# KiCad board D1 Mini Relay.kicad_pcb
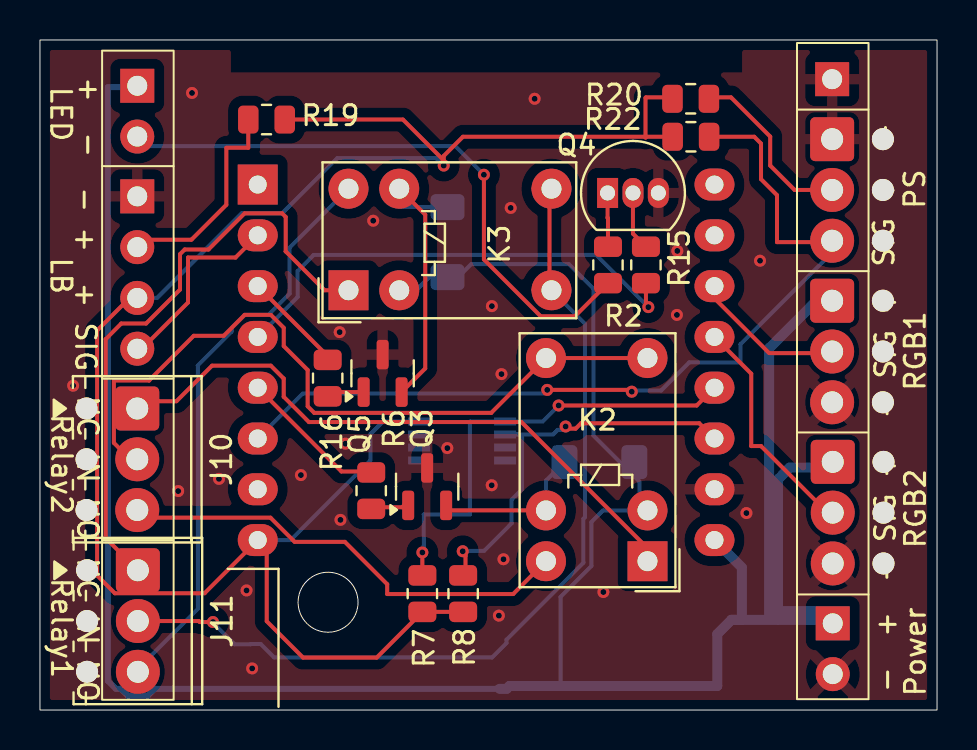
[diagram p0: board, top side]
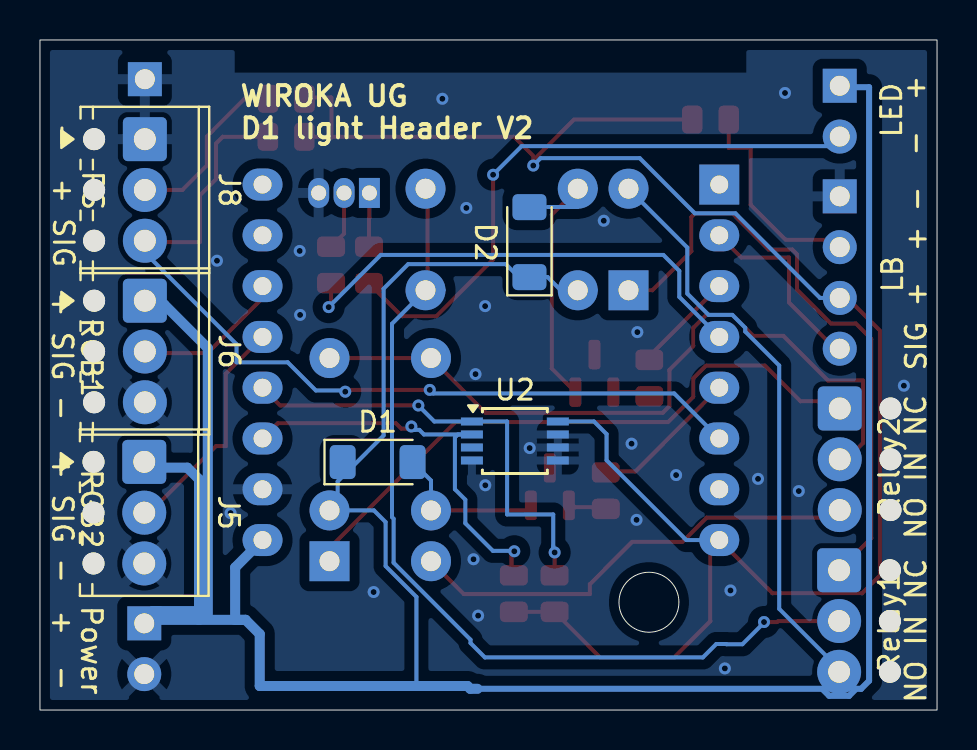
[diagram p1: board, bottom side, seen from below]

Outline 44.9 x 33.51 mm; copper layers: Top, Bottom. Coordinates in mm from the lower left corner of the outline.
Outline path: rectangle 0,33.51 44.9,0 ; circle c14.42,5.39 r1.5
Stack: Top 0.035mm / dielectric 1.51mm FR4 er 4.5 / Bottom 0.035mm

## Placement (name value [footprint] x y rotation side)
D1  D  [D_MiniMELF]  28 12.4 180 bottom
D2  D  [D_MiniMELF]  20.4 23.4 90 bottom
J1  Conn_01x01  [PinHeader_1x01_P2.54mm_Vertical]  39.65 31.55 0 top
J4  Conn_01x02  [PinHeader_1x02_P2.54mm_Vertical]  4.87 31.22 0 top
J5  Conn_01x03  [TerminalBlock_Phoenix_MPT-0,5-3-2.54_1x03_P2.54mm_Horizontal]  39.68 12.41 270 bottom
J6  Conn_01x03  [TerminalBlock_Phoenix_MPT-0,5-3-2.54_1x03_P2.54mm_Horizontal]  39.65 20.47 270 bottom
J7  Conn_01x02  [PinHeader_1x02_P2.54mm_Vertical]  39.68 4.33 0 top
J8  Conn_01x03  [TerminalBlock_Phoenix_MPT-0,5-3-2.54_1x03_P2.54mm_Horizontal]  39.65 28.55 270 bottom
J9  Conn_01x04  [PinHeader_1x04_P2.54mm_Vertical]  4.87 25.69 0 top
J10  Conn_01x03  [TerminalBlock_Phoenix_MPT-0,5-3-2.54_1x03_P2.54mm_Horizontal]  4.87 15.08 270 top
J11  Conn_01x03  [TerminalBlock_Phoenix_MPT-0,5-3-2.54_1x03_P2.54mm_Horizontal]  4.9 6.99 270 top
K2  G5V-1  [Relay_SPDT_Omron_G5V-1]  30.41 7.44 180 top
K3  G5V-1  [Relay_SPDT_Omron_G5V-1]  15.44 20.99 90 top
Q3  BC808  [SOT-23]  19.38 11.17 90 top
Q4  BC338  [TO-92_Inline]  28.41 25.86 0 top
Q5  BC808  [SOT-23]  17.15 16.84 90 top
R2  0  [R_0805_2012Metric]  28.43 22.26 270 top
R6  5K  [R_0805_2012Metric]  16.58 10.97 270 top
R7  10K  [R_0805_2012Metric]  19.14 5.82 90 top
R8  10K  [R_0805_2012Metric]  21.18 5.82 90 top
R15  10K  [R_0805_2012Metric]  30.33 22.26 90 top
R16  5K  [R_0805_2012Metric]  14.4 16.6 270 top
R19  330  [R_0805_2012Metric]  11.34 29.53 180 top
R20  330  [R_0805_2012Metric]  32.57 30.57 0 top
R22  10K  [R_0805_2012Metric]  32.58 28.67 0 top
U1  WEMOS_D1_mini  [WEMOS_D1_mini_light]  10.9 26.28 0 top
U2  LM75B  [TSSOP-8_3x3mm_P0.65mm]  21.13 13.45 180 bottom

## Library data of the parts
D1 D2 = -: Description: Diode; Sim.Pins: 1=K 2=A; ki_fp_filters: TO-???* *_Diode_* *SingleDiode* D_*
J1 = -: Description: Generic connector, single row, 01x01, script generated (kicad-library-utils/schlib/autogen/connector/); ki_fp_filters: Connector*:*_1x??_*
J4 J7 = -: Description: Generic connector, single row, 01x02, script generated (kicad-library-utils/schlib/autogen/connector/); ki_fp_filters: Connector*:*_1x??_*
J5 J6 J8 J10 J11 = -: Description: Generic connector, single row, 01x03, script generated (kicad-library-utils/schlib/autogen/connector/); ki_fp_filters: Connector*:*_1x??_*
J9 = -: Description: Generic connector, single row, 01x04, script generated (kicad-library-utils/schlib/autogen/connector/); ki_fp_filters: Connector*:*_1x??_*
K2 K3 = -: Datasheet: http://omronfs.omron.com/en_US/ecb/products/pdf/en-g5v_1.pdf; Description: Ultra-miniature, Highly Sensitive SPDT Relay for Signal Circuits; ki_fp_filters: Relay*SPDT*Omron*G5V?1*
Q3 Q5 = -: Datasheet: https://www.onsemi.com/pub/Collateral/BC808-D.pdf; Description: 0.8A Ic, 25V Vce, PNP Transistor, SOT-23; ki_fp_filters: SOT?23*
Q4 = -: Datasheet: http://diotec.com/tl_files/diotec/files/pdf/datasheets/bc337; Description: 0.8A Ic, 25V Vce, NPN Transistor, TO-92; ki_fp_filters: TO?92*
R2 R6-R8 R15 R16 R19 R20 R22 = -: Description: Resistor; ki_fp_filters: R_*
U1 = -: Datasheet: https://wiki.wemos.cc/products:d1:d1_mini#documentation; Description: 32-bit microcontroller module with WiFi; ki_fp_filters: WEMOS*D1*mini*
U2 = -: Datasheet: http://www.ti.com/lit/ds/symlink/lm75b.pdf; Description: Digital Temperature Sensor & Thermal Watchdog with LP on I2C and bus fault timeout, SOIC-8 and VSSOP-8; ki_fp_filters: SOIC*3.9x4.9mm*P1.27mm* VSSOP*3x3mm*P0.65mm*

## Footprints (pads in the part's own frame, mm; a bottom-side part is the same pattern mirrored in y, then rotated)
D_MiniMELF
  rrect 1.3x1.7 smd: 1(-1.75,0) 2(1.75,0)
PinHeader_1x01_P2.54mm_Vertical
  rect 1.7x1.7 hole 1: 1(0,0)
PinHeader_1x02_P2.54mm_Vertical
  rect 1.7x1.7 hole 1: 1(0,0)
  round 1.7 hole 1: 2(0,-2.54)
PinHeader_1x04_P2.54mm_Vertical
  rect 1.7x1.7 hole 1: 1(0,0)
  round 1.7 hole 1: 2(0,-2.54) 3(0,-5.08) 4(0,-7.62)
R_0805_2012Metric
  rrect 1.025x1.4 smd: 1(-0.912,0) 2(0.912,0)
Relay_SPDT_Omron_G5V-1
  rect 2x2 hole 1: 1(0,0)
  round 2 hole 1: 2(0,-2.54) 5(0,-10.16) 6(5.08,-10.16) 9(5.08,-2.54) 10(5.08,0)
SOT-23
  rrect 1.475x0.6 smd: 1(-0.938,0.95) 2(-0.938,-0.95) 3(0.938,0)
TerminalBlock_Phoenix_MPT-0,5-3-2.54_1x03_P2.54mm_Horizontal
  round 1.1 hole 1.1 unplated: (0,-2.54) (2.54,-2.54) (5.08,-2.54)
  rrect 2.2x2.2 hole 1.1: 1(0,0)
  round 2.2 hole 1.1: 2(2.54,0) 3(5.08,0)
TO-92_Inline
  rect 1.05x1.5 hole 0.75: 1(0,0)
  oval 1.05x1.5 hole 0.75: 2(1.27,0) 3(2.54,0)
TSSOP-8_3x3mm_P0.65mm
  rect 1.1x0.4 smd: 1(-2.15,0.975) 2(-2.15,0.325) 3(-2.15,-0.325) 4(-2.15,-0.975) 5(2.15,-0.975) 6(2.15,-0.325) 7(2.15,0.325) 8(2.15,0.975)
WEMOS_D1_mini_light
  rect 2x2 hole 0.9: 1(0,0)
  oval 2x1.6 hole 0.9: 2(0,-2.54) 3(0,-5.08) 4(0,-7.62) 5(0,-10.16) 6(0,-12.7) 7(0,-15.24) 8(0,-17.78) 9(22.86,-17.78) 10(22.86,-15.24) 11(22.86,-12.7) 12(22.86,-10.16) 13(22.86,-7.62) 14(22.86,-5.08) 15(22.86,-2.54) 16(22.86,0)

## Nets
3V3: J9.3 R7.1 R8.1 R19.1 R20.1 R22.1 U1.8 U2.8
5V: D1.1 D2.1 J4.1 J5.1 J6.1 J7.1 K2.2 K3.2 U1.9
GND: J1.1 J5.3 J6.3 J7.2 J8.1 J9.1 Q3.3 Q4.3 Q5.3 U1.10 U2.4 U2.5 U2.6 U2.7
!RST: U1.1
A0: J9.4 U1.2
D0: R16.1 U1.3
D1: J6.2 U1.14
D2: J5.2 U1.13
D3: R7.2 U1.12 U2.1
D4: R8.2 U1.11 U2.2
D5: R15.1 U1.4
D6: R6.1 U1.5
D7: J8.3 R22.2 U1.6
D8: U1.7
RX: U1.15
TX: U1.16
Net-(D1-A): D1.2 K2.9 Q3.2
Net-(D2-A): D2.2 K3.9 Q5.2
Net-(J4-Pin_2): J4.2 R2.2
Net-(J8-Pin_2): J8.2 R20.2
Net-(J9-Pin_2): J9.2 R19.2
Net-(J10-Pin_1): J10.1 K2.1
Net-(J10-Pin_2): J10.2 K2.5 K2.6
Net-(J10-Pin_3): J10.3 K2.10
Net-(J11-Pin_1): J11.1 K3.1
Net-(J11-Pin_2): J11.2 K3.5 K3.6
Net-(J11-Pin_3): J11.3 K3.10
Net-(Q3-B): Q3.1 R6.2
Net-(Q4-B): Q4.2 R15.2
Net-(Q4-C): Q4.1 R2.1
Net-(Q5-B): Q5.1 R16.2

Pads without a net: U2 3

## Via types
v1: diameter 0.6, hole 0.3, Top to Bottom, 34 vias

## Routing (per net, layer and track width the routed paths; a pad name or vN(x,y) marks a point on that pad's centre or on a via; arc(x,y) is an arc through that point)
3V3: length 94.7
  Top w0.2: R19.1 18.17,29.53 20.21,27.49 v1(20.21,27.23) 20.21,27.71 21.17,28.67 30.35,28.67 ; 30.35,28.67 30.31,28.63 30.31,30.62 30.33,30.64 31.64,30.64 ; 30.35,28.67 R22.1 ; R8.1 R7.1 16.85,2.62 13.17,2.62 11.35,4.44 11.35,8.05 U1.8 8.24,5.84 3.75,5.84 2.86,6.73 2.86,18.98 4.49,20.61 J9.3
  Bottom w0.2: U1.8 12.55,8.5 16.54,12.49 16.54,13.8 17.17,14.43 U2.8 ; 4.9,20.58 J9.3 5.86,20.61 10.09,24.84 12.12,24.84 14.88,27.6 19.84,27.6 v1(20.21,27.23)
5V: length 142.3
  Bottom w0.2: 26.21,1.2 26.06,1.35 26.06,5.66 27.6,7.2 27.6,9.4 28.18,9.98 K2.2 30,10.39 30,11.43 27.7,13.73 27.7,21.07 26.47,22.3 21.59,22.3 20.94,21.66 19.5,21.66 18.84,21 17.08,21
  Bottom w0.3: 23.28,1.06 5.75,1.06 5.4,0.71 4.4,0.71 4.05,1.06 3.8,1.06 3.4,1.46 3.4,31.15 4.29,31.15
  Bottom w0.5: J6.1 39.47,20.29 38.69,20.29 36.5,18.1 36.5,4.75 ; 36.94,4.51 36.94,11.54 37.52,12.12 39.68,12.12 39.7,12.13 ; 23,1.06 23.36,1.06 23.5,1.2 33.9,1.2 33.9,3.8 34.61,4.51 ; U1.9 35.13,7.13 35.13,4.51 34.61,4.51 ; 34.61,4.51 39.7,4.51 39.25,4.95 36.56,4.95
GND:
  vias: v1(1.66,16.22) v1(6.92,10.95) v1(7.61,30.86) v1(8.96,11.56) v1(10.34,5.98) v1(10.62,2.08) v1(13.06,11.75) v1(15,18.9) v1(15.04,9.51) v1(15.29,13.32) v1(16.68,24.47) v1(20.39,13.1) v1(22.62,20.2) v1(22.61,11.24) v1(22.97,4.72) v1(23.1,16.8) v1(23.2,7.54) v1(23.56,25.11) v1(24.76,30.57) v1(28.2,5.9) v1(31.9,22.96) v1(31.88,19.76) v1(35.36,9.85) v1(36.04,22.47)
A0: length 9.7
  Top w0.2: 4.92,17.89 7.41,20.38 7.41,22.63 9.79,22.63 U1.2
D0: length 5.1
  Top w0.2: U1.3 14.4,17.7 R16.1
D1: length 7.9
  Top w0.2: 39.7,17.24 39.09,17.85 36.5,17.85 33.76,20.59 U1.14
D2: length 11.8
  Top w0.2: 39.7,9.59 36.09,13.2 35.6,13.2 35.6,16.82 U1.13
D3: length 23.2
  Top w0.2: v1(19.14,7.88) R7.2 ; v1(25.96,15.23) 32.87,15.23 U1.12
  Bottom w0.2: 19.21,7.95 19.21,9.78 21.52,9.78 21.52,14.42 21.53,14.43 U2.1 25.16,14.43 v1(25.96,15.23) ; 19.21,7.95 19.21,8.22 ; 19.21,7.95 v1(19.14,7.88)
D4: length 20.9
  Top w0.2: v1(26.31,14.18) 26.42,14.07 26.81,14.07 27.08,14.34 33,14.34 U1.11 ; v1(21.16,7.94) 21.16,7.85 21.3,7.71 21.3,6.85 R8.2
  Bottom w0.2: v1(21.16,7.94) 21.18,7.96 22.23,7.96 23.61,9.34 23.61,10.52 24.13,11.04 24.13,13.63 23.98,13.78 U2.2 25.68,13.78 25.91,14.01 26.14,14.01 v1(26.31,14.18)
D5: length 24.3
  Top w0.2: 30.5,20.1 v1(30.45,20.15) 30.33,20.27 R15.1
  Bottom w0.2: U1.4 12.9,20.66 12.9,21.96 13.7,22.76 27.84,22.76 30.4,20.2
D6: length 7.5
  Top w0.2: 16.6,12.11 16.42,11.93 15.09,11.93 U1.5
D7: length 44.6
  Top w0.2: v1(29.62,15.92) 29.53,16.01 v1(25.39,16.01) ; R22.2 35.75,28.67 36.09,28.33 36.09,26.55 36.89,25.75 36.89,23.4 39.58,23.4 J8.3
  Bottom w0.2: J8.3 39.65,22.88 35.06,18.29 35.06,17.39 32.5,17.39 31.09,15.98 29.68,15.98 v1(29.62,15.92) ; v1(25.39,16.01) 25.21,15.83 13.15,15.83 U1.6
Net-(D1-A): length 8
  Top w0.2: Q3.2 20.58,9.98 K2.9 25.25,9.9
  Bottom w0.2: D1.2 25.33,11.48 K2.9
Net-(D2-A): length 15.2
  Top w0.2: Q5.2 19.28,17.08 19.28,24.77 K3.9 ; 17.08,26.08 17.96,25.2
  Bottom w0.2: 17.08,26.08 18,25.16 19.5,25.16
Net-(J4-Pin_2): length 30.4
  Top w0.2: R2.2 26.77,19.69 25.06,19.69 22.22,22.54 v1(22.22,26.77)
  Bottom w0.2: J4.2 5.35,28.2 20.79,28.2 v1(22.22,26.77)
Net-(J8-Pin_2): length 9
  Top w0.2: 33.46,30.64 34.59,30.64 36.55,28.68 36.55,27.23 37.77,26.01 J8.2 39.7,25.96
Net-(J9-Pin_2): length 10.7
  Top w0.2: R19.2 10.43,28.12 9.33,28.12 9.33,25.27 7.58,23.52 5.24,23.52 4.9,23.18
Net-(J10-Pin_1): length 31.5
  Top w0.2: K2.1 30.41,8.09 24.1,14.4 13.46,14.4 12.2,15.66 12.2,16.58 11.56,17.22 8.61,17.22 6.83,15.44 5.94,15.44 5.93,15.45 5.65,15.45 4.9,14.7
Net-(J10-Pin_2): length 37.7
  Top w0.2: 4.9,12.16 3.7,13.36 3.7,16.48 5.47,16.48 5.46,16.48 7.7,18.72 9.2,18.72 10.24,19.76 11.56,19.76 12.2,19.12 12.2,18.2 13.4,17.01 13.4,15.19 13.73,14.86 22.59,14.86 K2.6 K2.5
Net-(J10-Pin_3): length 23
  Top w0.2: 4.9,9.62 11.54,9.62 12.75,8.41 15.26,8.41 17.38,6.29 17.38,5.8 23.69,5.8 K2.10
Net-(J11-Pin_1): length 30.6
  Top w0.2: J11.1 3.29,8.6 3.29,18.55 4.07,19.33 5.31,19.33 7.01,21.03 7.01,22.8 7.24,23.03 8.43,23.03 10.24,24.84 12.12,24.84 12.3,24.66 12.3,22.94 14.24,20.99 K3.1
Net-(J11-Pin_2): length 46.1
  Top w0.2: 24.7,21 25.5,21.8 25.5,25.28 24.7,26.08 ; v1(8.66,4.4) 8,4.4 7.95,4.45 J11.2
  Bottom w0.2: 24.7,21 24.71,20.99 K3.5 27.28,19.31 27.28,9.65 27.2,9.57 27.2,7.37 23.35,3.52 23.35,3.35 22.63,2.63 11.72,2.63 11.05,3.3 10.55,3.3 10.54,3.29 9.74,3.29 8.66,4.37 v1(8.66,4.4)
Net-(J11-Pin_3): length 29.2
  Bottom w0.2: J11.3 4.9,2.06 7.9,5.06 7.9,17.23 9.6,18.93 9.6,19.12 10.24,19.76 11.43,19.76 12.5,20.83 12.5,23.13 K3.10
Net-(Q3-B): length 2
  Top w0.2: 16.6,10.29 16.75,10.14 18.13,10.14 18.45,10.46
Net-(Q4-B): length 3
  Top w0.2: R15.2 29.68,23.82 Q4.2
Net-(Q4-C): length 2.7
  Top w0.2: R2.1 28.43,24.59 28.41,24.61 Q4.1
Net-(Q5-B): length 1.9
  Top w0.2: Q5.1 14.61,15.9 R16.2

## Copper pours and planes (outline as drawn; the poured copper is in the pictures)
GND on Top: 44.86,33.47 45.08,0 0.02,0 -0.08,33.47
GND on Top, Bottom: 44.86,33.49 45.08,0 0.02,0 -0.08,33.49

## Text on the board
B.Silkscreen: -  + | PS | RGB1 | RGB2 | Power | -  + SIG | + SIG - | SIG +  + - | NO IN NC | LB | LED | Relay1 | Relay2 | WIROKA UG / D1 light Header V2
F.Silkscreen: SIG +  - | - SIG + | PS | RGB1 | RGB2 | Power | +  - | LED | LB | Relay2 | Relay1 | - +  + SIG | NC IN NO
